# Altium PCB 20240807_Carrier.PcbDoc (part 2 of 2)
Units mm, origin at the board's own origin, x right, y up, seen from the top; angles counter-clockwise.
Board outline 112 x 70 mm, 2 copper layers (Top Layer, Bottom Layer), stack 0.87 mm thick; 160 components, 68 nets, 478 pads, 471 vias.
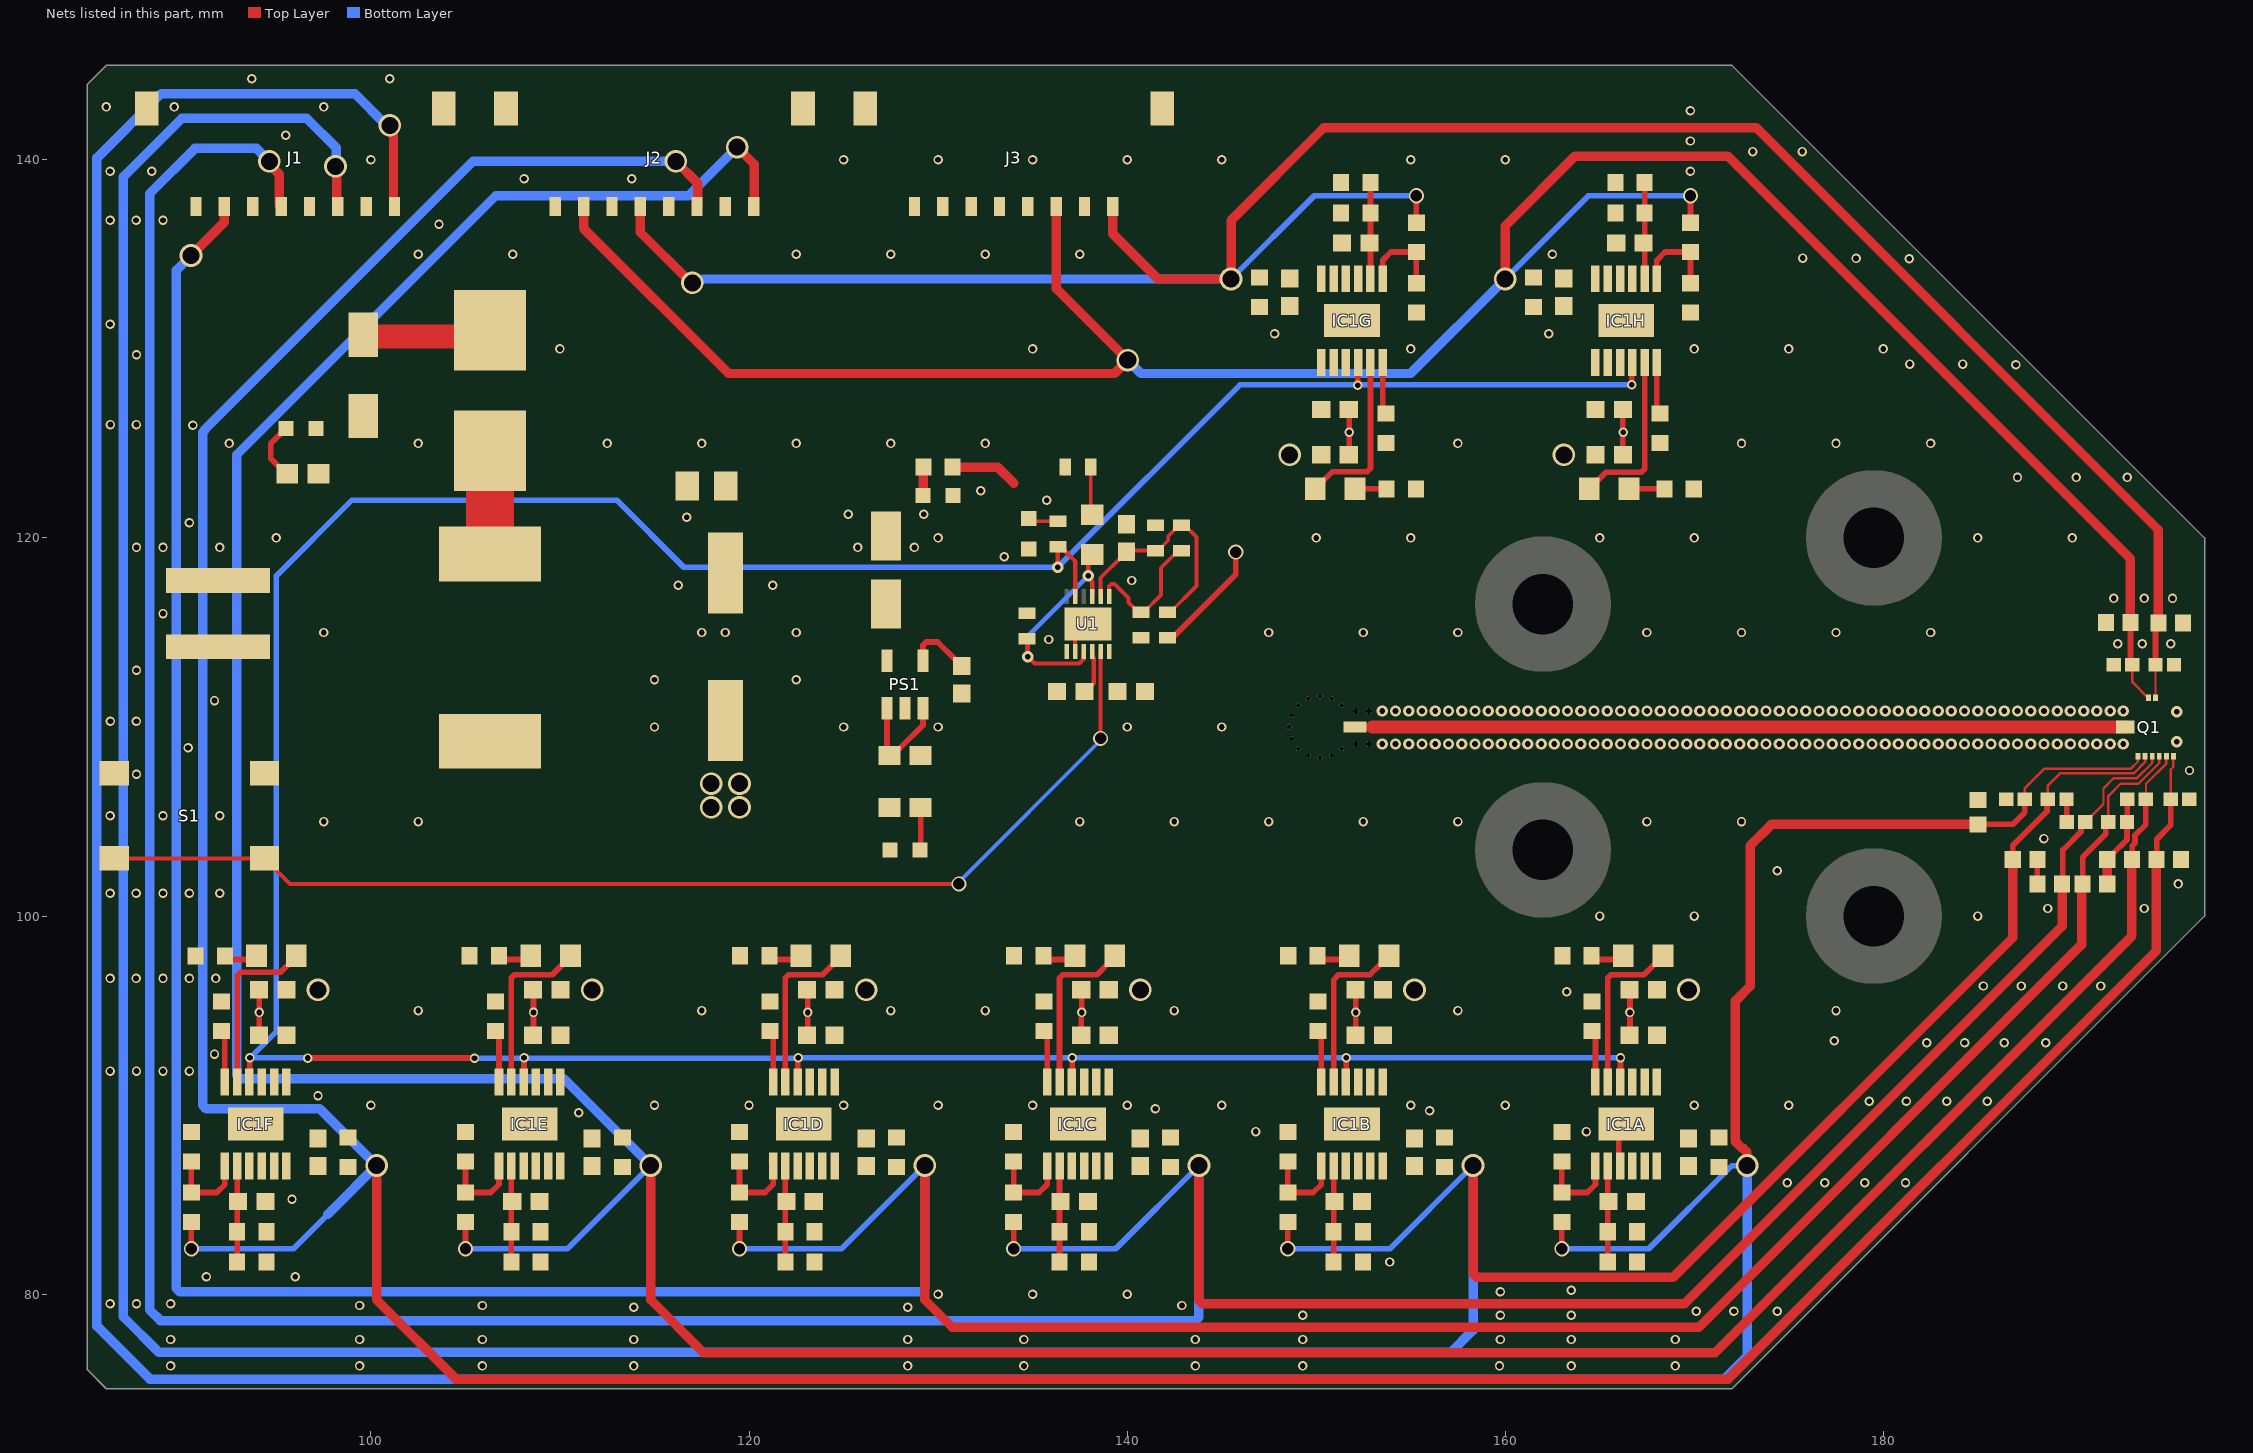
[diagram p2: the nets of this part, all layers, seen from the top]

## Part data
B1: "Fuse Block 10 A 125V 1 Circuit Cartridge Surface Mount", Manufacturer_Name=LITTELFUSE, Mouser Part Number=576-01550900M, Datasheet Link=http://www.littelfuse.com/~/media/electronics/datasheets/fuses/littelfuse_fuse_154_154t_154l_154tl_datasheet.pdf.pdf, Geometry.Height=3.81mm, Manufacturer_Part_Number=01550900M, Mouser Price/Stock=https://www.mouser.co.uk/ProductDetail/Littelfuse/01550900M?qs=DDoybve0rC%252BTXq1hqi5X1g%3D%3D
C1 C2 C3 C7 C24A C24B C24C C24D C24E C24F C24G C24H C25A C25B C25C C25D C25E C25F C25G C25H C26A C26B C26C C26D C26E C26F C26G C26H C27A C27B C27C C27D C27E C27F C27G C27H: library part CMP-024-000000-16, "SMT Capacitor", Design Item ID=Capacitor, Source=Passives.SchLib
C4: "Wurth Elektronik 470uF 25 V dc Aluminium Electrolytic Capacitor, WCAP-ASLI Series 2000h 10 (Dia.) x 10.35mm", Manufacturer_Name="Wurth Elektronik", Mouser Part Number=710-865080457015, Datasheet Link=https://www.we-online.com/catalog/datasheet/865080457015_valid_from_2022-04-21.pdf, Geometry.Height=10.5mm, Manufacturer_Part_Number=865080457015, Mouser Price/Stock=https://www.mouser.co.uk/ProductDetail/Wurth-Elektronik/865080457015?qs=0KOYDY2FL2%252BEKTJa1jxjAQ%3D%3D
C5 J1 J2 J3: Package=None, Availability=Unavailable, Price=None
  C5: MP=10SVP4R7M
  J1 J2 J3: MP=5040500891
C6: library part CMP-001-00050-1, "Ceramic Capacitor, Multilayer, Ceramic, 16V, 10% +Tol, 10% -Tol, X8L, -40/+15% TC, 1uF, Surface Mount, 0603", Capacitor Type=Ceramic, Case/Package=0603, Max Operating Temperature=150°C, Min Operating Temperature=-55°C, Package Shape=Rectangular, Rated DC Voltage (URdc)=16V, Temperature Characteristics Code=X8L, Tolerance  (fill in as +-)=10%, Dielectric Material=Ceramic, Mounting Technology="Surface Mount", Multilayer=Yes, Packaging="Tape and Reel", Pins=2, Reach SVHC Compliant=Yes, Reference Standard=AEC-Q200, RoHS Compliant=Yes, Termination=Wraparound, Tolerance (fill in as +-)=10%
C8 C10 C12 C14 C16 C18 C20 C22: library part CMP-001-00048-2, "Ceramic Capacitor, Multilayer, Ceramic, 50V, 10% +Tol, 10% -Tol, X7R, 15% TC, 0.1uF, Surface Mount, 0603", Capacitance="100 nF", Capacitor Type=Ceramic, Case/Package=0603, Max Operating Temperature=125°C, Min Operating Temperature=-55°C, Package Shape=Rectangular, Package Style=SMTMeter, Rated DC Voltage (URdc)=50V, Temperature Characteristics Code=X7R, Tolerance=10%, Dielectric Material=Ceramic, Height=0.9mm, JESD-609 Code=e3, Length=1.6mm, Mounting Technology="Surface Mount", Multilayer=Yes, Packaging="Tape and Reel", Pins=2, Reach SVHC Compliant=Yes, RoHS Compliant=Yes, Terminal Finish=Nickel, Termination=Wraparound, Tolerance  (fill in as +-)=10%, Tolerance (fill in as +-)=10%, Voltage Rating=50V, Width=0.81mm
C9 C11 C13 C15 C17 C19 C21 C23: library part CMP-001-00053-1, "Ceramic Capacitor, Multilayer, Ceramic, 16V, 10% +Tol, 10% -Tol, X7R, 15% TC, 0.1uF, Surface Mount, 0402", Capacitor Type=Ceramic, Case/Package=0402, Max Operating Temperature=125°C, Min Operating Temperature=-55°C, Package Shape=Rectangular, Package Style=SMTMeter, Rated DC Voltage (URdc)=16V, Temperature Characteristics Code=X7R, Tolerance  (fill in as +-)=10%, Dielectric Material=Ceramic, Height=0.55mm, JESD-609 Code=e3, Length=1mm, Mounting Technology="Surface Mount", Multilayer=Yes, Packaging="Tape and Reel", Pins=2, Reach SVHC Compliant=Yes, RoHS Compliant=Yes, Terminal Finish=Nickel, Termination=Wraparound, Tolerance (fill in as +-)=10%, Width=0.5mm
D1 D7A D7B D7C D7D D7E D7F D7G D7H: library part CMP-027-000004-2, "WL-SMCW SMT Mono-color Chip LED Waterclear, size 0805, Super Red, 1.9V, 140deg", Emitting Color="Super Red", Forward Voltage typ.=1.9V, Operating Temperature="-40 to +85degC", Chip Technology=AlInGaP, ComponentLink1Description=Manufacturer, ComponentLink1URL=http://www.we-online.de, ComponentLink2Description=Datasheet, ComponentLink2URL=https://www.we-online.com/catalog/datasheet/150080SS75000.pdf, Design Item ID=150080SS75000, Dominant Wavelength typ.=630nm, Luminous Intensity typ.=60mcd, Mounting Technology=SMT, Packaging="Tape and Reel", Part Number=150080SS75000, Peak Wavelength typ.=645nm, Published Date="December 2019", Publisher="Wurth Elektronik", Size=0805, Source=WL-SMCW_0805.SchLib, Viewing Angle=140deg
D2 D4 D5 D6: library part CMP-029-000010-2, "WL-SMCW SMT Mono-color Chip LED Waterclear, size 0603, Bright Green, 2V, 140deg", Emitting Color="Bright Green", Forward Voltage typ.=2V, Operating Temperature="-40 to +85degC", Chip Technology=AlInGaP, ComponentLink1Description=Manufacturer, ComponentLink1URL=http://www.we-online.de, ComponentLink2Description=Datasheet, ComponentLink2URL=https://www.we-online.com/catalog/datasheet/150060VS75000.pdf, Design Item ID=150060VS75000, Dominant Wavelength typ.=570nm, Luminous Intensity typ.=40mcd, Mounting Technology=SMT, Packaging="Tape and Reel", Part Number=150060VS75000, Peak Wavelength typ.=572nm, Published Date="December 2019", Publisher="Wurth Elektronik", Size=0603, Source=WL-SMCW_0603.SchLib, Viewing Angle=140deg
D3: "Schottky Diodes & Rectifiers 2A, 40V SMA SCHOTTKY", Manufacturer_Name=onsemi, Datasheet Link=https://www.onsemi.com/download/data-sheet/pdf/ssa24-d.pdf, Geometry.Height=2.5mm, Manufacturer_Part_Number=SSA24
IC1A IC1B IC1C IC1D IC1E IC1F IC1G IC1H: "LDO Voltage Regulators 20V, 500mA, Ultralow Noise, Ultrahigh PSRR Linear Regulator", Manufacturer_Name="Analog Devices", Mouser Part Number=584-LT3045IMSE#TRPBF, Datasheet Link=https://www.arrow.com/en/products/lt3045imsetrpbf/analog-devices, Geometry.Height=1.1mm, Manufacturer_Part_Number=LT3045IMSE#TRPBF, Mouser Price/Stock=https://www.mouser.co.uk/ProductDetail/Analog-Devices/LT3045IMSETRPBF?qs=oahfZPh6IAI8jiLw9gdaFw%3D%3D
J5: "Body Features: Product Orientation Right Angle", Manufacturer_Name="TE Connectivity", Mouser Part Number=571-2213932-2, Datasheet Link=https://www.te.com/commerce/DocumentDelivery/DDEController?Action=srchrtrv&DocNm=1-1773930-3_BuchananWM_Brochure&DocType=Data%20Sheet&DocLang=English&PartCntxt=2213932-2&DocFormat=pdf, Geometry.Height=7mm, Manufacturer_Part_Number=2213932-2, Mouser Price/Stock=https://www.mouser.co.uk/ProductDetail/TE-Connectivity-Buchanan/2213932-2?qs=BZBei1rCqCB1cq5VfQayMg%3D%3D
L1: library part 7447709470, "WE-PD SMT Power Inductor, size 1210, 47uH, 3.8A, 60mOhm", Case/Size Code=1210, DC Resistance=46mOhm, DC Resistance Max=60mOhm, Inductance=47uH, Manufacturer="Wurth Elektronik", Operating Temperature Max=125°C, Operating Temperature Min=-40°C, Rated Current=3.8A, Saturation Current=4.5A, Self Resonant Frequency=6.5MHz, Category="Power Inductors", ComponentLink1Description="Website Link", ComponentLink1URL=https://www.we-online.com/redexpert/article/7447709470?ad, ComponentLink2Description="Datasheet Link", ComponentLink2URL=https://www.we-online.com/redexpert/spec/7447709470?ad, Height=10mm, Length=12mm, Manufacturer Part Number=7447709470, Match Code=WE-PD, Mount="Surface Mount", Packaging="Tape and Reel", Type=Standard, Width=12mm
PS1: "LDO Regulator Pos 3.3V 0.5A Microchip MIC5219-3.3YM5-TR, LDO Voltage Regulator, 500mA, 3.3 V +/-2%, 2.5  12 Vin, 5-Pin SOT-23", Manufacturer_Name=Microchip, Mouser Part Number=998-MIC5219-3.3YM5TR, Datasheet Link=http://www.microchip.com/mymicrochip/filehandler.aspx?ddocname=en579712, Geometry.Height=1.45mm, Manufacturer_Part_Number=MIC5219-3.3YM5-TR, Mouser Price/Stock=https://www.mouser.co.uk/ProductDetail/Microchip-Technology/MIC5219-3.3YM5-TR?qs=U6T8BxXiZAWojkIJMtSJlw%3D%3D
Q1: library part MMIC_SMM_01-10, "DC and IF bonded footprint of TWA+self-mixing mixer"
R1 R2 R3 R4 R5 R6 R7: library part CMP-009-00207-1, "Fixed Resistor, Metal Glaze/thick Film, 0.1W, 10000ohm, 50V, 1% +/-Tol, 100ppm/Cel, Surface Mount, 0603", Case/Package=0603, JLCPCB Part #=C25804, Max Operating Temperature=155°C, Min Operating Temperature=-55°C, Power=100mW, Tolerance=1%, Mounting Technology="Surface Mount", Pins=2, RoHS Compliant=Yes
R8: library part CMP-009-00203-1, "Fixed Resistor, Metal Glaze/thick Film, 0.1W, 100ohm, 75V, 5% +/-Tol, 200ppm/Cel, Surface Mount, 0603 CR0603-JW-101ELF", Case/Package=0603, JLCPCB Part #=C913237, Max Operating Temperature=155°C, Min Operating Temperature=-55°C, Power=100mW, Tolerance=5%, Mounting Technology="Surface Mount", Pins=2, RoHS Compliant=Yes
R9: library part CMP-009-00203-1, "Fixed Resistor, Metal Glaze/thick Film, 0.1W, 100ohm, 75V, 5% +/-Tol, 200ppm/Cel, Surface Mount, 0603", Case/Package=0603, JLCPCB Part #=C913237, Max Operating Temperature=155°C, Min Operating Temperature=-55°C, Power=100mW, Tolerance=5%, Mounting Technology="Surface Mount", Pins=2, RoHS Compliant=Yes
R10: library part CMP-009-00140-3, "Fixed Resistor, Metal Glaze/thick Film, 0.125W, 0ohm, Surface Mount, 0805", Case/Package=0805, Max Operating Temperature=155°C, Min Operating Temperature=-55°C, Package Height=0.45mm, Package Length=2mm, Package Shape=Rectangular, Package Style=SMTMeter, Package Width=1.25mm, Power=125mW, Rated Temperature=70°C, Resistor Type="FIXED RESISTOR", Construction=Chip, JESD-609 Code=e3, Mounting Technology="Surface Mount", Packaging="Tape and Reel", Pins=2, Reach SVHC Compliant=Yes, Reference Standard=AEC-Q200, RoHS Compliant=Yes, Technology="METAL GLAZE/THICK FILM", Terminal Finish=Nickel, Termination=Wraparound
R11 R12A R12B R12C R12D R12E R12F R12G R12H R13A R13B R13C R13D R13E R13F R13G R13H RFB1A RFB1B RFB1C RFB1D RFB1E RFB1F RFB1G RFB1H RFB2A RFB2B RFB2C RFB2D RFB2E RFB2F RFB2G RFB2H RLIMA RLIMB RLIMC RLIMD RLIME RLIMF RLIMG RLIMH RSET1A RSET1B RSET1C RSET1D RSET1E RSET1F RSET1G RSET1H RSET2A RSET2B RSET2C RSET2D RSET2E RSET2F RSET2G RSET2H: library part CMP-009-00006-14, "RES SMD 1K OHM 1% 1/10W 0603", Case/Package=0603, JLCPCB Part #=C21190, Max Operating Temperature=155°C, Min Operating Temperature=-55°C, Power=100mW, Temperature Coefficient=100ppm/°C, Tolerance=1%, Voltage Rating=75V, Depth=0.8mm, Height=0.45mm, Length=1.6mm, Mounting Technology="Surface Mount", Pins=2, RoHS Compliant=Yes
RF: library part CMP-00053-13, "RF Connector SMP Straight PCB Limited Detent Jack Surface Mount 50 Ohm footprint is made for Dk : 4.2 and height 800µm", Connector Type=smp, Gender=m, Mounting Technology=smd
S1: library part CMP-011-00001-2, "Switch Tactile N.O. SPST Round Button Gull Wing 0.05A 12VDC 100000Cycles 1.96N SMD T/R"
U1: "No Description Available", Mfr_Name="Analog Devices Inc", RefDes=RefDes, Type=Type

## Free pads (board coordinates)
  round 6 on Top Paste paste-2539.97: 2(35,24) 2(35,36.5) 2(35,49) 2(35,61.5) 2(35,74) 2(35,86.5) 2(35,99) 2(35,111.5) 2(35,124) 2(35,136.5) 2(35,149) 2(35,161.5) 2(35,174) 2(35,186.5) 2(35,199) 2(266,24) 2(266,36.5) 2(266,49) 2(266,61.5) 2(266,74) 2(266,86.5) 2(266,99) 2(266,111.5) 2(266,124) 2(266,136.5) 2(266,149) 2(266,161.5) 2(266,174) 2(266,186.5) 2(266,199)

## Via types
v1: diameter 0.5, hole 0.3, Top Layer to Bottom Layer, 264 vias
v2: diameter 0.6, hole 0.3, Top Layer to Bottom Layer, 119 vias
v3: diameter 1, hole 0.5, Top Layer to Bottom Layer, 32 vias
v4: diameter 1.2, hole 0.9, Top Layer to Bottom Layer, 28 vias
v5: diameter 0.25, hole 0.25, Top Layer to Bottom Layer, tented both sides, 13 vias
v6: diameter 0.8, hole 0.6, Top Layer to Bottom Layer, 11 vias
v7: diameter 0.3, hole 0.3, Top Layer to Bottom Layer, 4 vias

## Nets (pads, with @x,y where several pads share a name; then routed paths per layer and width w, separated by ;. In a path a pad name is that pad's centre, name@x,y a point inside that pad or via, vN(x,y) a via of type N, cw(c..) or ccw(c..) an arc to the next point about the centre after c; other vN are vias at no path point)
3V3: C5.1 PS1.5 R1.2 R2.2 R11.2 R13A.2 R13B.2 R13C.2 R13D.2 R13E.2 R13F.2 R13G.2 R13H.2 | length 3.8
  Top Layer w0.5: R11.2@130.775,123.75 133.15,123.75 134,122.9 ; R1.2@136.681,123.56 136.731,123.61 R1.2@136.731,123.76 R1.2@136.721,123.75
GND: C1.1 C2.2 C3.2 C5.2 C6.2 C7.1 C8.1 C9.1 C10.1 C11.1 C12.1 C13.1 C14.1 C15.1 C16.1 C17.1 C18.1 C19.1 C20.1 C21.1 C22.1 C23.1 C24A.1 C24B.1 C24C.1 C24D.1 C24E.1 C24F.1 C24G.1 C24H.1 C25A.1 C25B.1 C25C.1 C25D.1 C25E.1 C25F.1 C25G.1 C25H.1 C26A.1 C26B.1 C26C.1 C26D.1 C26E.1 C26F.1 C26G.1 C26H.1 C27A.1 C27B.1 C27C.1 C27D.1 C27E.1 C27F.1 C27G.1 C27H.1 D2.1 D4.1 D5.1 D6.1 IC1A.9 IC1A.13 IC1B.9 IC1B.13 IC1C.9 IC1C.13 IC1D.9 IC1D.13 IC1E.9 IC1E.13 IC1F.9 IC1F.13 IC1G.9 IC1G.13 IC1H.9 IC1H.13 J1.2 J1.4 J1.6 J1.8 J1.S1 J1.S2 J2.2 J2.4 J2.6 J2.8 J2.S1 J2.S2 J3.2 J3.4 J3.5 J3.6 J3.7 J3.8 J3.S1 J3.S2 J5.1 PS1.2 R4.2 R10.1 R12A.2 R12B.2 R12C.2 R12D.2 R12E.2 R12F.2 R12G.2 R12H.2 RFB2A.2 RFB2B.2 RFB2C.2 RFB2D.2 RFB2E.2 RFB2F.2 RFB2G.2 RFB2H.2 RLIMA.2 RLIMB.2 RLIMC.2 RLIMD.2 RLIME.2 RLIMF.2 RLIMG.2 RLIMH.2 RSET1A.2 RSET1B.2 RSET1C.2 RSET1D.2 RSET1E.2 RSET1F.2 RSET1G.2 RSET1H.2 RSET2A.2 RSET2B.2 RSET2C.2 RSET2D.2 RSET2E.2 RSET2F.2 RSET2G.2 RSET2H.2 S1.3 S1.4 U1.1 U1.2 U1.13 | length 31.2
  Top Layer w0.2: U1.2@137.25,113.998 137.25,114.775 U1.13@137.925,115.45
  Top Layer w0.3: C25F.1@94.073,93.7 94.1,93.727 v1(94.1,94.9) 94.1,96.073 C24F.1@94.073,96.1 ; C25E.1@108.573,93.7 108.6,93.727 v1(108.6,94.9) 108.6,96.073 C24E.1@108.573,96.1 ; C25D.1@123.073,93.7 123.1,93.727 v1(123.1,94.9) 123.1,96.073 C24D.1@123.073,96.1 ; C25C.1@137.573,93.7 137.573,94.873 v1(137.6,94.9) 137.6,96.073 C24C.1@137.573,96.1 ; C24G.1@151.727,124.4 151.754,124.427 v1(151.754,125.6) 151.754,126.773 C25G.1@151.727,126.8 ; C25B.1@152.073,93.7 152.1,93.727 v1(152.1,94.9) 152.1,96.073 C24B.1@152.073,96.1 ; IC1G.9@152.15,133.4 IC1G.9@152.15,133.675 ; IC1A.9@166,86.876 166,88.763 IC1A.13@166.325,89.088 ; C24H.1@166.227,124.4 166.227,125.573 v1(166.254,125.6) 166.227,125.627 C25H.1@166.227,126.8 ; C25A.1@166.573,93.7 166.6,93.727 v1(166.6,94.9) 166.6,96.073 C24A.1@166.573,96.1 ; C16.1@188.15,101.7 C12.1@188.15,103.025 ; C13.1@189.69,106.175 189.71,106.155 C17.1@189.71,104.975 ; C10.1@191.85,103 191.85,103.025 192.125,103.3 192.15,103.3 192.89,104.04 C21.1@192.89,104.975 192.91,104.995 C11.1@192.91,106.175
  Top Layer w0.5: C20.1@191.85,101.7 C10.1@191.85,103
  other v1: 89.4,76.2 99.4,76.2 105.9,76.2 113.9,76.2 128.4,76.2 134.545,76.2 143.617,76.2 149.3,76.2 159.7,76.2 163.5,76.2 169,76.2 89.4,77.6 99.4,77.6 105.9,77.6 113.9,77.6 128.4,77.6 134.545,77.6 143.6,77.6 149.3,77.6 159.75,77.6 163.5,77.6 169,77.6 149.3,78.875 159.75,78.875 163.5,78.875 170.1,79.1 172.1,79.1 174.4,79.1 113.9,79.3 128.4,79.3 99.4,79.4 105.9,79.4 142.9,79.4 86.2,79.5 87.6,79.5 89.4,79.5 130,80 135,80 140,80 159.75,80.125 163.5,80.2 91.3,80.925 96,80.925 153.9,81.7 95.826,85.02 174.925,85.9 176.9,85.9 179.025,85.9 181.175,85.9 146.8,88.6 164.3,88.6 111,89.6 156,89.7 141.5,89.8 100,90 115,90 120,90 125,90 130,90 135,90 140,90 145,90 155,90 160,90 170,90 175,90 179.25,90.2 181.225,90.2 183.35,90.2 185.5,90.2 97.2,90.5 86.2,91.8 87.6,91.8 89,91.8 90.4,91.8 91.725,92.7 182.3,93.3 184.3,93.3 186.4,93.3 188.6,93.3 177.4,93.4 102.5,95 117.5,95 127.5,95 132.5,95 142.5,95 157.5,95 177.5,95 163.25,96 185.3,96.3 187.3,96.3 189.5,96.3 191.5,96.3 86.2,96.7 87.575,96.7 89,96.7 90.4,96.7 91.8,96.7 165,100 170,100 185,100 188.7,100.4 193.8,100.4 86.2,101.2 87.575,101.2 89,101.2 90.4,101.2 92,101.2 195.6,101.7 174.4,102.4 188.5,104.1 97.5,105 102.5,105 137.5,105 142.5,105 147.5,105 152.5,105 157.5,105 167.5,105 172.5,105 86.2,105.3 89,105.3 92,105.3 87.6,107.5 196.2,107.7 90.325,108.9 115,110 125,110 130,110 140,110 145,110 86.222,110.308 87.597,110.308 91.725,111.4 115,112.5 122.5,112.5 87.6,113 192.4,114.4 193.7,114.4 195.2,114.4 135.861,114.629 97.5,115 117.5,115 118.75,115 122.5,115 147.5,115 152.5,115 157.5,115 167.5,115 172.5,115 177.5,115 182.5,115 89,116 192.2,116.8 193.8,116.8 195.3,116.8 116.25,117.5 121.25,117.5 140.25,117.75 133.5,119 87.6,119.5 89,119.5 92,119.5 125.75,119.5 128.75,119.5 95,120 130,120 150,120 155,120 165,120 170,120 185,120 190,120 90.4,120.8 116.7,121.1 125.25,121.25 129.25,121.25 135.75,122 132.25,122.5 187.1,123.2 190.2,123.2 192.9,123.2 92.5,125 102.5,125 112.5,125 117.5,125 122.5,125 127.5,125 132.5,125 157.5,125 172.5,125 177.5,125 182.5,125 90.587,125.959 86.222,126 87.597,126 187.019,129.154 181.4,129.2 184.2,129.2 87.6,129.7 110,130 135,130 155,130 170,130 175,130 180,130 147.8,130.8 162.3,130.8 86.2,131.3 181.368,134.77 175.735,134.805 178.56,134.788 102.5,135 107.5,135 122.5,135 127.5,135 132.5,135 137.5,135 162.5,135 103.6,136.6 86.2,136.8 87.575,136.8 89,136.8 108.1,139 113.8,139 86.2,139.4 88.4,139.4 169.8,139.4 100,140 125,140 130,140 135,140 140,140 145,140 155,140 160,140 173.1,140.439 175.717,140.439 169.8,141 95.5,141.3 169.8,142.6 86,142.8 89.6,142.8 97.5,142.8 93.7,144.3 101,144.3
  other v2: 153.5,109.1 154.2,109.1 154.9,109.1 155.6,109.1 156.3,109.1 157,109.1 157.7,109.1 158.4,109.1 159.1,109.1 159.8,109.1 160.5,109.1 161.2,109.1 161.9,109.1 162.6,109.1 163.3,109.1 164,109.1 164.7,109.1 165.4,109.1 166.1,109.1 166.8,109.1 167.5,109.1 168.2,109.1 168.9,109.1 169.6,109.1 170.3,109.1 171,109.1 171.7,109.1 172.4,109.1 173.1,109.1 173.8,109.1 174.5,109.1 175.2,109.1 175.9,109.1 176.6,109.1 177.3,109.1 178,109.1 178.7,109.1 179.4,109.1 180.1,109.1 180.8,109.1 181.5,109.1 182.2,109.1 182.9,109.1 183.6,109.1 184.3,109.1 185,109.1 185.7,109.1 186.4,109.1 187.1,109.1 187.8,109.1 188.5,109.1 189.2,109.1 189.9,109.1 190.6,109.1 191.3,109.1 192,109.1 192.7,109.1 195.525,109.225 195.525,110.8 153.5,110.85 154.2,110.85 154.9,110.85 155.6,110.85 156.3,110.85 157,110.85 157.7,110.85 158.4,110.85 159.1,110.85 159.8,110.85 160.5,110.85 161.2,110.85 161.9,110.85 162.6,110.85 163.3,110.85 164,110.85 164.7,110.85 165.4,110.85 166.1,110.85 166.8,110.85 167.5,110.85 168.2,110.85 168.9,110.85 169.6,110.85 170.3,110.85 171,110.85 171.7,110.85 172.4,110.85 173.1,110.85 173.8,110.85 174.5,110.85 175.2,110.85 175.9,110.85 176.6,110.85 177.3,110.85 178,110.85 178.7,110.85 179.4,110.85 180.1,110.85 180.8,110.85 181.5,110.85 182.2,110.85 182.9,110.85 183.6,110.85 184.3,110.85 185,110.85 185.7,110.85 186.4,110.85 187.1,110.85 187.8,110.85 188.5,110.85 189.2,110.85 189.9,110.85 190.6,110.85 191.3,110.85 192,110.85 192.7,110.85
  other v5: 150.2,108.375 149.578,108.499 150.822,108.499 149.051,108.851 151.349,108.851 148.699,109.378 148.575,110 148.699,110.622 149.051,111.149 151.349,111.149 149.578,111.501 150.822,111.501 150.2,111.625
  other v7: 152.1,109.1 152.8,109.1 152.1,110.85 152.8,110.85
J1-1: C8.2 C9.2 C26A.2 IC1A.10 IC1A.11 IC1A.12 J1.1 Q1.6 R12A.1 RFB1A.1 | length 236.8
  Top Layer w0.127: C9.2@187.49,106.175 187.49,106.765 188.525,107.8 193.1,107.8 193.46,108.16 193.46,108.435 Q1.6@193.475,108.45
  Top Layer w0.3: v6(163,82.4) RFB1A.1@163,83.825 ; RFB1A.1@163.1,83.812 RFB1A.1@163.125,83.837 ; C8.2@185,104.85 186.85,104.85 187.49,105.49 C9.2@187.49,106.175
  Top Layer w0.5: v4(101.002,141.826) 101.136,141.692 101.136,141.353 101.195,141.293 J1.1@101.195,137.56 ; v4(172.8,86.8) 172.775,86.825 172.775,87.529 172.592,87.712 172.541,87.712 172.175,88.078 172.175,95.508 172.956,96.289 172.956,103.719 174.087,104.85 C8.2@185,104.85
  Bottom Layer w0.3: v6(163,82.4) 167.597,82.4 171.997,86.8 v4(172.8,86.8)
  Bottom Layer w0.5: v4(101.002,141.826) 100.831,141.826 99.157,143.5 88.9,143.5 85.504,140.104 85.504,78.312 88.312,75.504 171.604,75.504 172.8,76.7 v4(172.8,86.8)
J1-3: C12.2 C13.2 C26B.2 IC1B.10 IC1B.11 IC1B.12 J1.3 Q1.5 R12B.1 RFB1B.1 | length 227.4
  Top Layer w0.127: C13.2@188.71,106.175 188.71,106.902 189.356,107.548 193.248,107.548 193.85,108.15 Q1.5@193.85,108.45